# Altium PCB mod_duo_x_g3399.PcbDoc (part 1 of 2) (continued)
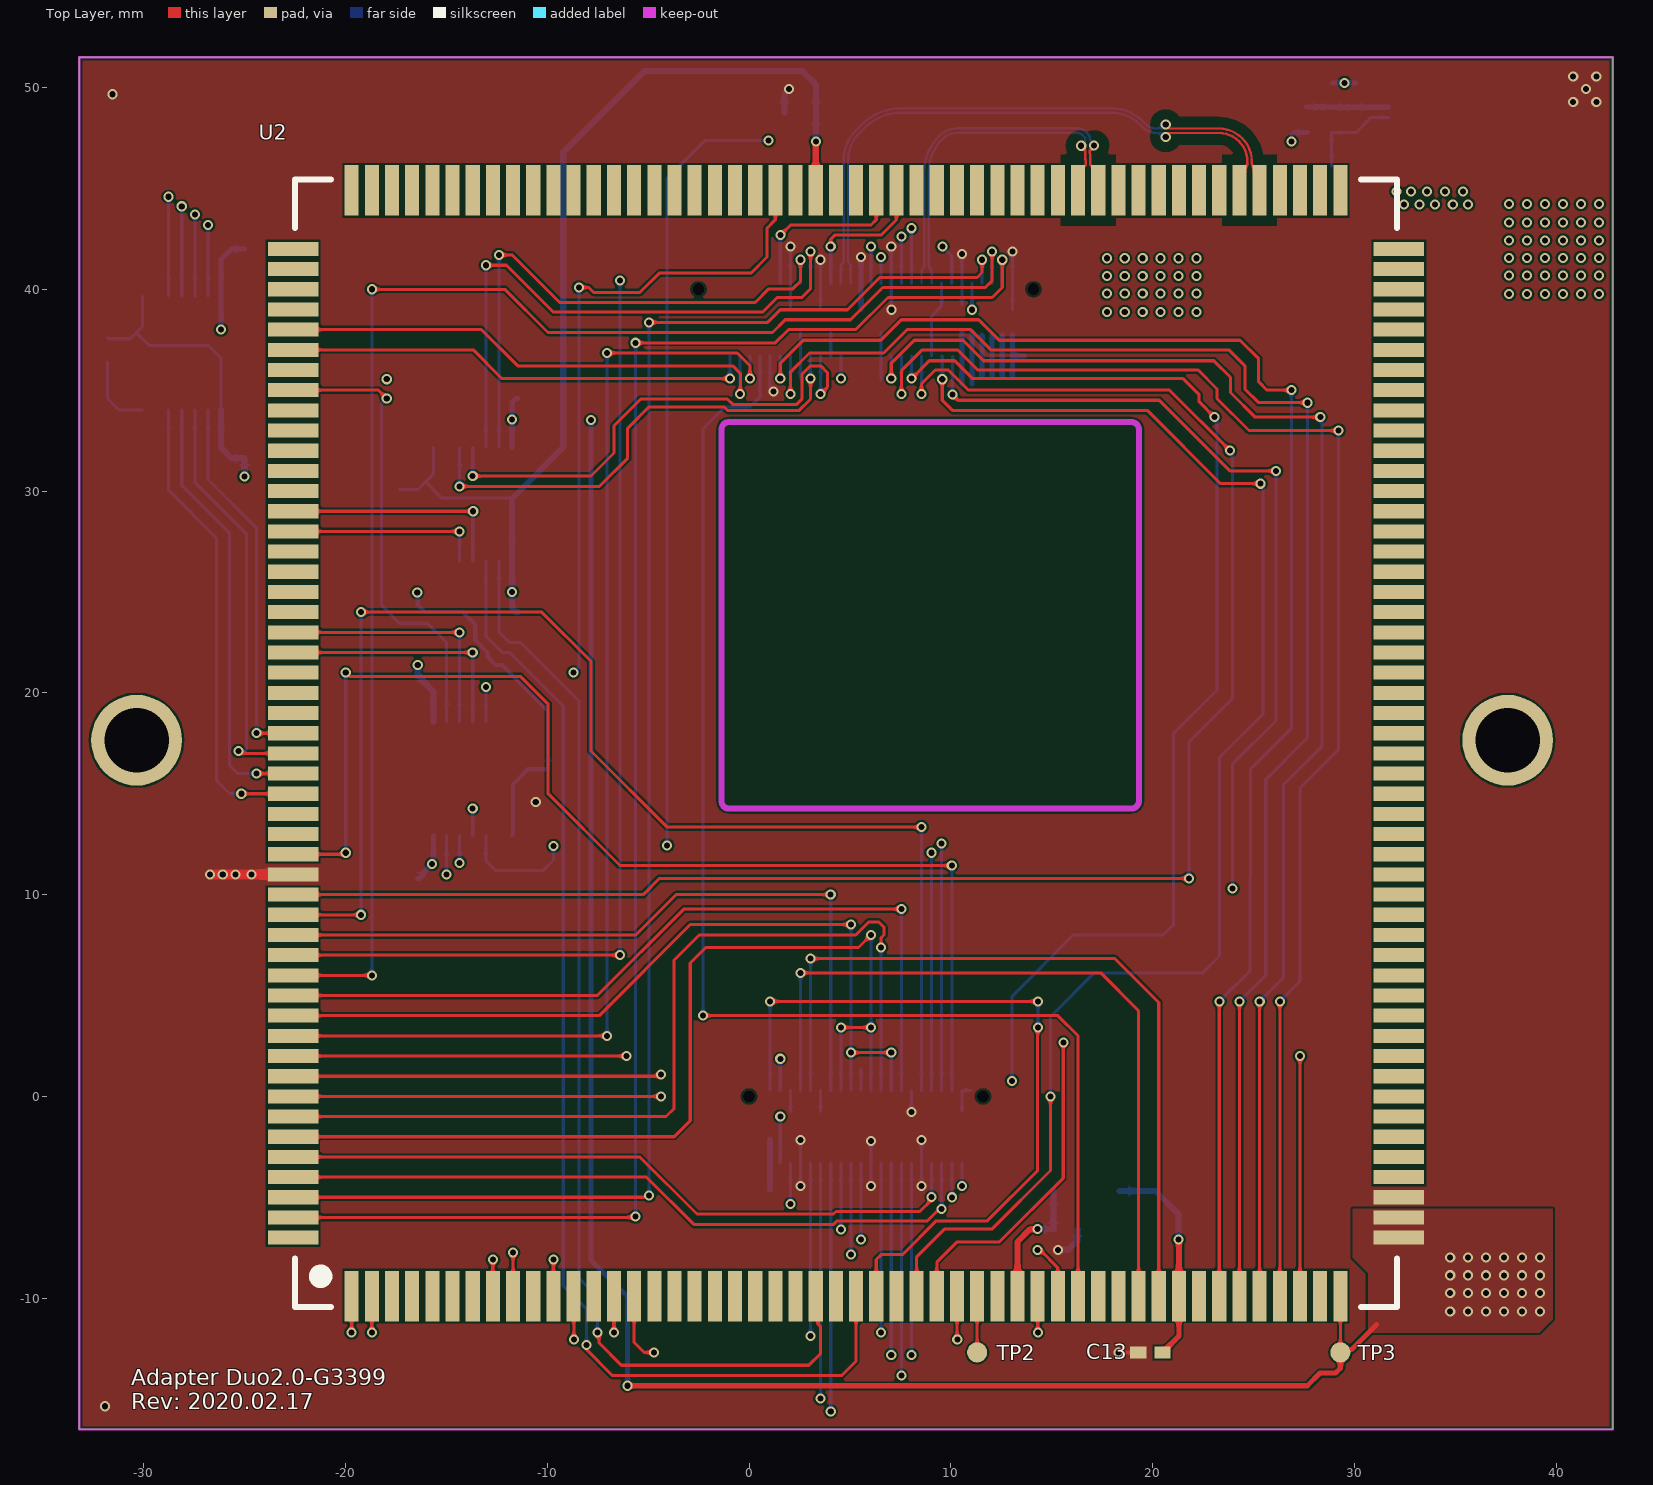
[diagram p0: Top Layer view]
## Design rules (kind name [scope] priority, off if disabled: settings)
Clearance Clearance_DIFF90 [InPolygon vs (InDifferentialPairClass('All Differential Pairs'))] p1: gap=0.508 ignorepadtopadclearanceinfootprint=FALSE
Clearance [All] p2: gap=0.102 ignorepadtopadclearanceinfootprint=FALSE
DiffPairsRouting [All] p1: maxlimit=0.203 minlimit=0.102 mostfreqgap=0.203 toplayer_mingap=0.102 toplayer_maxgap=0.152 toplayer_prefgap=0.102 toplayer_minwidth=0.117 toplayer_maxwidth=0.117 toplayer_prefwidth=0.117 midlayer1_mingap=0.203 midlayer1_minwidth=0.203 midlayer1_maxwidth=0.203 midlayer1_prefwidth=0.203 midlayer2_mingap=0.203 midlayer2_minwidth=0.203 midlayer2_maxwidth=0.203 midlayer2_prefwidth=0.203 bottomlayer_maxgap=0.152 bottomlayer_prefgap=0.102 bottomlayer_minwidth=0.117 bottomlayer_maxwidth=0.117 bottomlayer_prefwidth=0.117 maxuncoupledlength=12.7
HoleSize [All] p1: absolutevalues=TRUE maxlimit=5 minlimit=0.025 maxpercent=80.000 minpercent=20.000
MinimumSolderMaskSliver [All] p1: minsoldermaskwidth=0.102
PlaneConnect [All] p1: planeconnectstyle=Direct reliefexpansion=0.508 reliefentries=4 reliefconductorwidth=0.254 reliefairgap=0.254
PolygonConnect PolygonConnect_P1 [HasFootprint('TE_2-2013289-1')] p1: thpad.connectstyle=Relief thpad.reliefconductorwidth=0.254 thpad.reliefentries=4 thpad.polygonreliefangle="90 Angle" thpad.airgapwidth=0.254 smdpad.connectstyle=Relief smdpad.reliefconductorwidth=0.254 smdpad.reliefentries=4 smdpad.polygonreliefangle="90 Angle" smdpad.airgapwidth=0.254 via.connectstyle=Direct via.reliefconductorwidth=0.254 via.reliefentries=4 via.polygonreliefangle="90 Angle" via.airgapwidth=0.254
PolygonConnect [All] p2: connectstyle=Direct reliefconductorwidth=0.254 reliefentries=4 polygonreliefangle="90 Angle" airgapwidth=0.254
RoutingVias [All] p1: holewidth=0.3 width=0.5 viastyle="Through Hole" minholewidth=0.3 minwidth=0.5 maxholewidth=0.3 maxwidth=0.5
SilkToSilkClearance [All] p1: silktosilkclearance=0.152
SolderMaskExpansion [All] p1: expansion=0.102
Width [All] p1: maxlimit=10 minlimit=0.152 preferedwidth=0.254
25 further rules are at their usual default settings.

## Classes and differential pairs
component class [3]-DCDC-3V3: C16 C17 C18 L1 R1 R2 R3 TP1 U1
component class [2]-INTERFACE_CONNS: P2 P3
component class [1]-SOM-G3399: C1 C2 C3 C4 C5 C6 C7 C8 C9 C10 C11 C12 C13 D1 R4 R5 R6 TP2 TP3 U2 U3 U4 U5
differential pair USB_HOST_D: +USB_HOST_D_P -USB_HOST_D_N
differential pair USB_DEV_D: +USB_DEV_D_P -USB_DEV_D_N

## Components (designator, comment, footprint, x,y, rotation, side; value= is the part's Value field where it differs from the comment)
C1 "22uF" CAPC1608N 40.683,-5.522 r270 bottom
C2 "22uF" CAPC1608N 37.673,-5.522 r270 bottom
C3 "22uF" CAPC1608N 39.197,-5.522 r270 bottom
C4 "0.1uF" CAPC1005N 36.403,-5.522 r270 bottom
C5 "22uF" CAPC1608N 2.549,48.731 r0 bottom
C6 "1uF" CAPC1005N 15.702,-6.595 r180 bottom
C7 "0.1uF" CAPC1005N -10.859,23.999 r180 bottom
C8 "0.1uF" CAPC1005N -10.859,34.591 r180 bottom
C9 "0.1uF" CAPC1005N -24.403,31.632 r180 bottom
C10 "0.1uF" CAPC1005N -24.403,41.999 r180 bottom
C11 "0.1uF" CAPC1005N -17.018,20.837 r0 bottom
C12 "0.1uF" CAPC1005N -17.018,10.804 r0 bottom
C13 "0.1uF" CAPC1005N 19.893,-12.691 r0 top
C16 "120pF" CAPC1005N 30.053,49.623 r90 bottom
C17 "4.7uF" CAPC2012N 31.958,45.856 r0 bottom
C18 "10uF" CAPC2012N 40.848,47.126 r270 bottom
D1 "1N4148WQ-7-F" SOD123 16.718,-4.69 r0 bottom
L1 "470nH" IHLP-1212AE-11 37.927,47.126 r270 bottom
P2 "DF12(3.0)-60DS-0.5V(86)" DF12-60 5.8,38.5 r180 bottom locked
P3 "DF12(3.0)-40DS-0.5V(86)" DF12-40 5.8,-1.5 r180 bottom locked
R1 "453K" RESC1005N 28.91,49.631 r90 bottom
R2 "100K" RESC1005N 28.275,47.761 r0 bottom
R3 "100K" RESC1005N 27.64,49.631 r270 bottom
R4 "100K" RESC1005N -17.318,29.473 r270 bottom
R5 "100K" RESC1005N -31.796,36.999 r270 bottom
R6 "100K" RESC1005N -9.952,15.614 r90 bottom
TP1 "TP_1_MM" TP_1_MM 28.875,46.11 r90 bottom
TP2 "TP_1_MM" TP_1_MM 11.307,-12.691 r90 top
TP3 "TP_1_MM" TP_1_MM 29.307,-12.691 r90 top
U1 "TPS62825" DMQ0006A 32.338,48.523 r0 bottom
U2 "G3399" G3399-MOD 4.807,17.499 r0 top locked
U3 "TXS0104EPWR" TSSOP_PW14 -13.693,29.346 r90 bottom
U4 "TXS0104EPWR" TSSOP_PW14 -28.113,36.839 r90 bottom
U5 "TXS0104EPWR" TSSOP_PW14 -13.693,15.741 r270 bottom

## Footprints (in the part's own frame and the unit in brackets; to place one, negate y for a bottom-side part, rotate by r counter-clockwise, add the part's x,y. Pads: shape width x height; smd on the part's side, far side on the other; paste and mask are expansions set on the pad)
CAPC1005N [mm] "Chip Capacitor, Body 1.0x0.5mm, IPC Medium Density"
  rect 0.8x0.6 smd: 1(-0.6,0) 2(0.6,0)
  body extent -0.5,-0.25 0.5,0.25, height 0.6
CAPC1608N [mm]
  rect 1x1 smd: 1(-0.8,0) 2(0.8,0)
  body extent -0.8,-0.4 0.8,0.4, height 0.9
CAPC2012N [mm] "Chip Capacitor, Body 2.0x1.3mm, IPC Medium Density"
  rect 1.3x1.5 smd: 1(-0.85,0) 2(0.85,0)
  body extent -1,-0.62 1,0.63, height 1
DF12-40 [mm]
  rect 0.3x1.6 smd: 1(4.75,-1.8) 2(4.75,1.8) 3(4.25,-1.8) 4(4.25,1.8) 5(3.75,-1.8) 6(3.75,1.8) 7(3.25,-1.8) 8(3.25,1.8) 9(2.75,-1.8) 10(2.75,1.8) 11(2.25,-1.8) 12(2.25,1.8) 13(1.75,-1.8) 14(1.75,1.8) 15(1.25,-1.8) 16(1.25,1.8) 17(0.75,-1.8) 18(0.75,1.8) 19(0.25,-1.8) 20(0.25,1.8) 21(-0.25,-1.8) 22(-0.25,1.8) 23(-0.75,-1.8) 24(-0.75,1.8) 25(-1.25,-1.8) 26(-1.25,1.8) 27(-1.75,-1.8) 28(-1.75,1.8) 29(-2.25,-1.8) 30(-2.25,1.8) 31(-2.75,-1.8) 32(-2.75,1.8) 33(-3.25,-1.8) 34(-3.25,1.8) 35(-3.75,-1.8) 36(-3.75,1.8) 37(-4.25,-1.8) 38(-4.25,1.8) 39(-4.75,-1.8) 40(-4.75,1.8)
  rect 0.8x1.8 smd: M(-6.45,0) M(6.45,0)
  round 0 hole 0.6: M(-5.8,1.5) M(5.8,1.5)
  body extent -6.55,-2.31 6.55,2.29, height 2.2
DF12-60 [mm]
  rect 0.3x1.6 smd: 1(7.25,-1.8) 2(7.25,1.8) 3(6.75,-1.8) 4(6.75,1.8) 5(6.25,-1.8) 6(6.25,1.8) 7(5.75,-1.8) 8(5.75,1.8) 9(5.25,-1.8) 10(5.25,1.8) 11(4.75,-1.8) 12(4.75,1.8) 13(4.25,-1.8) 14(4.25,1.8) 15(3.75,-1.8) 16(3.75,1.8) 17(3.25,-1.8) 18(3.25,1.8) 19(2.75,-1.8) 20(2.75,1.8) 21(2.25,-1.8) 22(2.25,1.8) 23(1.75,-1.8) 24(1.75,1.8) 25(1.25,-1.8) 26(1.25,1.8) 27(0.75,-1.8) 28(0.75,1.8) 29(0.25,-1.8) 30(0.25,1.8) 31(-0.25,-1.8) 32(-0.25,1.8) 33(-0.75,-1.8) 34(-0.75,1.8) 35(-1.25,-1.8) 36(-1.25,1.8) 37(-1.75,-1.8) 38(-1.75,1.8) 39(-2.25,-1.8) 40(-2.25,1.8) 41(-2.75,-1.8) 42(-2.75,1.8) 43(-3.25,-1.8) 44(-3.25,1.8) 45(-3.75,-1.8) 46(-3.75,1.8) 47(-4.25,-1.8) 48(-4.25,1.8) 49(-4.75,-1.8) 50(-4.75,1.8) 51(-5.25,-1.8) 52(-5.25,1.8) 53(-5.75,-1.8) 54(-5.75,1.8) 55(-6.25,-1.8) 56(-6.25,1.8) 57(-6.75,-1.8) 58(-6.75,1.8) 59(-7.25,-1.8) 60(-7.25,1.8)
  rect 0.8x1.8 smd: M(-8.95,0) M(8.95,0)
  round 0 hole 0.6: M(-8.3,1.5) M(8.3,1.5)
  body extent -9.05,-2.3 9.05,2.3, height 2.2
DMQ0006A [mm]
  rect 0.6x0.25 smd paste+0 mask+0.051: 1(-0.65,0.5) 2(-0.65,0) 3(-0.65,-0.5)
  rect 1.1x0.3 smd paste-0.537 mask-0.051: 4(0.45,-0.5) 5(0.45,0) 6(0.45,0.5)
  silkscreen extent -0.75,-0.9 0.75,0.9, body extent -0.75,-0.75 0.75,0.75, height 1
G3399-MOD [mm]
  rect 0.7x2.5 smd: 1(-24.5,-27.4) 2(-23.5,-27.4) 3(-22.5,-27.4) 4(-21.5,-27.4) 5(-20.5,-27.4) 6(-19.5,-27.4) 7(-18.5,-27.4) 8(-17.5,-27.4) 9(-16.5,-27.4) 10(-15.5,-27.4) 11(-14.5,-27.4) 12(-13.5,-27.4) 13(-12.5,-27.4) 14(-11.5,-27.4) 15(-10.5,-27.4) 16(-9.5,-27.4) 17(-8.5,-27.4) 18(-7.5,-27.4) 19(-6.5,-27.4) 20(-5.5,-27.4) 21(-4.5,-27.4) 22(-3.5,-27.4) 23(-2.5,-27.4) 24(-1.5,-27.4) 25(-0.5,-27.4) 26(0.5,-27.4) 27(1.5,-27.4) 28(2.5,-27.4) 29(3.5,-27.4) 30(4.5,-27.4) 31(5.5,-27.4) 32(6.5,-27.4) 33(7.5,-27.4) 34(8.5,-27.4) 35(9.5,-27.4) 36(10.5,-27.4) 37(11.5,-27.4) 38(12.5,-27.4) 39(13.5,-27.4) 40(14.5,-27.4) 41(15.5,-27.4) 42(16.5,-27.4) 43(17.5,-27.4) 44(18.5,-27.4) 45(19.5,-27.4) 46(20.5,-27.4) 47(21.5,-27.4) 48(22.5,-27.4) 49(23.5,-27.4) 50(24.5,-27.4) 101(24.5,27.4) 102(23.5,27.4) 103(22.5,27.4) 104(21.5,27.4) 105(20.5,27.4) 106(19.5,27.4) 107(18.5,27.4) 108(17.5,27.4) 109(16.5,27.4) 110(15.5,27.4) 111(14.5,27.4) 112(13.5,27.4) 113(12.5,27.4) 114(11.5,27.4) 115(10.5,27.4) 116(9.5,27.4) 117(8.5,27.4) 118(7.5,27.4) 119(6.5,27.4) 120(5.5,27.4) 121(4.5,27.4) 122(3.5,27.4) 123(2.5,27.4) 124(1.5,27.4) 125(0.5,27.4) 126(-0.5,27.4) 127(-1.5,27.4) 128(-2.5,27.4) 129(-3.5,27.4) 130(-4.5,27.4) 131(-5.5,27.4) 132(-6.5,27.4) 133(-7.5,27.4) 134(-8.5,27.4) 135(-9.5,27.4) 136(-10.5,27.4) 137(-11.5,27.4) 138(-12.5,27.4) 139(-13.5,27.4) 140(-14.5,27.4) 141(-15.5,27.4) 142(-16.5,27.4) 143(-17.5,27.4) 144(-18.5,27.4) 145(-19.5,27.4) 146(-20.5,27.4) 147(-21.5,27.4) 148(-22.5,27.4) 149(-23.5,27.4) 150(-24.5,27.4)
  rect 2.5x0.7 smd: 51(27.4,-24.5) 52(27.4,-23.5) 53(27.4,-22.5) 54(27.4,-21.5) 55(27.4,-20.5) 56(27.4,-19.5) 57(27.4,-18.5) 58(27.4,-17.5) 59(27.4,-16.5) 60(27.4,-15.5) 61(27.4,-14.5) 62(27.4,-13.5) 63(27.4,-12.5) 64(27.4,-11.5) 65(27.4,-10.5) 66(27.4,-9.5) 67(27.4,-8.5) 68(27.4,-7.5) 69(27.4,-6.5) 70(27.4,-5.5) 71(27.4,-4.5) 72(27.4,-3.5) 73(27.4,-2.5) 74(27.4,-1.5) 75(27.4,-0.5) 76(27.4,0.5) 77(27.4,1.5) 78(27.4,2.5) 79(27.4,3.5) 80(27.4,4.5) 81(27.4,5.5) 82(27.4,6.5) 83(27.4,7.5) 84(27.4,8.5) 85(27.4,9.5) 86(27.4,10.5) 87(27.4,11.5) 88(27.4,12.5) 89(27.4,13.5) 90(27.4,14.5) 91(27.4,15.5) 92(27.4,16.5) 93(27.4,17.5) 94(27.4,18.5) 95(27.4,19.5) 96(27.4,20.5) 97(27.4,21.5) 98(27.4,22.5) 99(27.4,23.5) 100(27.4,24.5) 151(-27.4,24.5) 152(-27.4,23.5) 153(-27.4,22.5) 154(-27.4,21.5) 155(-27.4,20.5) 156(-27.4,19.5) 157(-27.4,18.5) 158(-27.4,17.5) 159(-27.4,16.5) 160(-27.4,15.5) 161(-27.4,14.5) 162(-27.4,13.5) 163(-27.4,12.5) 164(-27.4,11.5) 165(-27.4,10.5) 166(-27.4,9.5) 167(-27.4,8.5) 168(-27.4,7.5) 169(-27.4,6.5) 170(-27.4,5.5) 171(-27.4,4.5) 172(-27.4,3.5) 173(-27.4,2.5) 174(-27.4,1.5) 175(-27.4,0.5) 176(-27.4,-0.5) 177(-27.4,-1.5) 178(-27.4,-2.5) 179(-27.4,-3.5) 180(-27.4,-4.5) 181(-27.4,-5.5) 182(-27.4,-6.5) 183(-27.4,-7.5) 184(-27.4,-8.5) 185(-27.4,-9.5) 186(-27.4,-10.5) 187(-27.4,-11.5) 188(-27.4,-12.5) 189(-27.4,-13.5) 190(-27.4,-14.5) 191(-27.4,-15.5) 192(-27.4,-16.5) 193(-27.4,-17.5) 194(-27.4,-18.5) 195(-27.4,-19.5) 196(-27.4,-20.5) 197(-27.4,-21.5) 198(-27.4,-22.5) 199(-27.4,-23.5) 200(-27.4,-24.5)
  Keep-Out Layer lines w0.3: -6.173,-2.858 ccw(c-5.792,-2.858) -5.792,-3.239 14.135,-3.239 ; -6.172,-2.857 -6.172,15.545 cw(c-5.791,15.545) -5.791,15.926 14.135,15.926 ; 14.135,-3.239 ccw(c14.135,-2.858) 14.516,-2.858 14.516,15.544 ; 14.136,15.926 cw(c14.136,15.545) 14.517,15.545
  silkscreen extent -27.3,-27.94 27.31,27.94
IHLP-1212AE-11 [mm]
  rect 1.2x1.5 smd: 1(-1.35,0) 2(1.35,0)
  silkscreen extent -1.91,-1.65 1.91,1.65, body extent -1.8,-1.6 1.8,1.6, height 1.55
RESC1005N [mm] "Chip Resistor, Body 1.1x0.5mm, IPC Medium Density"
  rect 0.8x0.7 smd: 1(-0.6,0) 2(0.6,0)
  body extent -0.52,-0.3 0.52,0.3, height 0.34
SOD123 [mm]
  rect 0.95x1.22 smd: 1(-1.635,0) 2(1.635,0)
  silkscreen extent -2.41,-1.02 2.54,1.02, body extent -1.95,-0.9 1.95,0.9, height 1.18
TP_1_MM [mm]
  round 1 smd: 1(0,0)
TSSOP_PW14 [mil]
  rect 66x14 smd: 1(-111,76.77) 2(-111,51.18) 3(-111,25.59) 4(-111,0) 5(-111,-25.59) 6(-111,-51.18) 7(-111,-76.77) 8(111,-76.77) 9(111,-51.18) 10(111,-25.59) 11(111,0) 12(111,25.59) 13(111,51.18) 14(111,76.77)
  silkscreen extent -125,-100 164,112, body extent -126,-98 126,98, height 44

## Part data
C1 C2 C3 C5: library part GRM188R60J226MEA0D, "CAP CER 22UF 6.3V X5R 0603", Case/Package=0603, Case Code (Metric)=1608, Dielectric=X5R, Manufacturer 1=Murata, Max Operating Temperature=85°C, Min Operating Temperature=-55°C, Package Quantity=4000, Supplier Part Number 1=490-7611-1-ND, Tolerance=20%, Voltage Rating=6.3V, Capacitance=22uF, Case Code (Imperial)=0603, ComponentLink1Description=https://www.murata.com/~/media/webrenewal/support/library/catalog/products/capacitor/mlcc/c02e.ashx?la=en-us, ComponentLink1URL=https://www.murata.com/~/media/webrenewal/support/library/catalog/products/capacitor/mlcc/c02e.ashx?la=en-us, Depth=0.8mm, Height=0.8mm, Lead Free="Lead Free", Length=1.6mm, Manufacturer Part Number 1=GRM188R60J226MEA0D, Mount="Surface Mount", Packaging="Tape and Reel", Pricing 1="1=0.26, 10=0.177, 100=0.1001, 500=0.07066, 1000=0.06182 (USD)", REACH SVHC="No SVHC", Stock 1=40000, Supplier 1=Digi-Key, Termination=SMD/SMT, Thickness=0.039inch, Voltage Rating (DC)=6.3V, Weight=0.000222oz, Width=0.8mm
C4 C7 C8 C9 C10 C11 C12 C13: library part GRM155R71H104KE14D, "CAP CER 0.1UF 50V X7R 0402", Capacitance="0.1 uF", Capacitance - nF="100 nF", Capacitance - pF="100000 pF", Case Code - in=0402, Case Code - mm=1005, Dielectric=X7R, Manufacturer 1=Murata, Maximum Operating Temperature="+ 125 C", Minimum Operating Temperature="- 55 C", Package / Case="0402 (1005 metric)", Supplier Part Number 1=490-10700-1-ND, Tolerance="10 %", Voltage Rating DC="50 VDC", Brand="Murata Electronics", Class="Class 2", ComponentLink1Description=http://components.arrow.com/part/dataview/0323_07030614, ComponentLink1URL=http://components.arrow.com/part/dataview/0323_07030614, ComponentLink2Description=http://psearch.en.murata.com/capacitor/product/GRM155R71H104KE14%23.pdf, ComponentLink2URL=http://psearch.en.murata.com/capacitor/product/GRM155R71H104KE14%23.pdf, ComponentLink3Description=http://www.mouser.com/ds/2/281/c02e-2905.pdf, ComponentLink3URL=http://www.mouser.com/ds/2/281/c02e-2905.pdf, ComponentLink4Description=http://search.murata.co.jp/Ceramy/image/img/A01X/partnumbering_e_01.pdf, ComponentLink4URL=http://search.murata.co.jp/Ceramy/image/img/A01X/partnumbering_e_01.pdf, ComponentLink5Description=http://www.farnell.com/datasheets/2079156.pdf, ComponentLink5URL=http://www.farnell.com/datasheets/2079156.pdf, Description 1="Cap Ceramic 0.1uF 50V X7R 10% SMD 0402 125C Paper T/R", Factory Pack Quantity=10000, Height="0.5 mm", Length="1 mm", Manufacturer Part Number 1=GRM155R71H104KE14D, Packaging=Reel, Pricing 1="1=0.1, 10=0.022, 100=0.0099, 500=0.0071, 1000=0.0056, 2500=0.0051, 5000=0.0047 (USD)", Product="General Type MLCCs", Product Category="Multilayer Ceramic Capacitors MLCC - SMD/SMT", RoHS=True, Series=GRM, Stock 1=0, Supplier 1=Digi-Key, Termination Style=SMD/SMT, Type="General Purpose Ceramic Capacitors", Unit Weight="0.000212 oz", Width="0.5 mm"
C6: library part C0402C105K9PACTU, "CAP CER 1UF 6.3V X5R 0402", Capacitance=1µF, Manufacturer 1=KEMET, Operating Temperature="-55°C ~ 85°C", Package / Case="0402 (1005 Metric)", Ratings=-, Standard Package=1, Supplier Part Number 1=399-4873-1-ND, Temperature Coefficient=X5R, Tolerance=±10%, Voltage - Rated=6.3V, Applications="General Purpose", Category=Capacitors, ComponentLink1Description=https://datasheet.ciiva.com/144/docfinderpartnumber-c0402c105k9pactu-144529.pdf, ComponentLink1URL=https://datasheet.ciiva.com/144/docfinderpartnumber-c0402c105k9pactu-144529.pdf, ComponentLink2Description=https://datasheet.ciiva.com/28645/1789732-28645392.pdf, ComponentLink2URL=https://datasheet.ciiva.com/28645/1789732-28645392.pdf, ComponentLink3Description=https://datasheet.ciiva.com/7747/40889-7747623.pdf, ComponentLink3URL=https://datasheet.ciiva.com/7747/40889-7747623.pdf, ComponentLink4Description=https://datasheet.ciiva.com/18192/getdatasheetpartid-127800-18192427.pdf, ComponentLink4URL=https://datasheet.ciiva.com/18192/getdatasheetpartid-127800-18192427.pdf, ComponentLink5Description=https://datasheet.ciiva.com/7747/kem-c1006-x5r-smd-7747445.pdf, ComponentLink5URL=https://datasheet.ciiva.com/7747/kem-c1006-x5r-smd-7747445.pdf, ComponentLink6Description=https://datasheet.ciiva.com/5414/kem-c1006-x5r-smd-5414919.pdf, ComponentLink6URL=https://datasheet.ciiva.com/5414/kem-c1006-x5r-smd-5414919.pdf, Description 1="CAP CER 1UF 6.3V X5R 0402", Family="Ceramic Capacitors", Features=-, Height - Seated (Max)=-, Kits="399-5085-ND  - KIT CER HI CAPACITANCE CHIP CAPS", Lead Spacing=-, Lead Style=-, Manufacturer Part Number 1=C0402C105K9PACTU, Mounting Type="Surface Mount, MLCC", Online Catalog="X5R Dielectric (Commercial Grade)", Other Names=399-4873-1, Packaging="Cut Tape (CT)", Pricing 1="1=0.1, 10=0.022, 100=0.0097, 500=0.007, 1000=0.0055, 2500=0.005, 5000=0.0046 (USD)", Product Training Modules="Capacitor Basics- Typical Uses for Capacitors", Series=C, Size / Dimension="0.039\" L x 0.020\" W (1.00mm x 0.50mm)", Stock 1=0, Supplier 1=Digi-Key, Thickness (Max)="0.022\" (0.55mm)"
C16: library part GRM1555C1H121FA01D, "CAP CER 120PF 50V C0G/NP0 0402", Capacitance="120 pF", Case/Package=0402, Case Code (Metric)=1005, Case Height="0.5 mm", Case Length="1 mm", Dielectric="C0G (NP0)", Manufacturer 1=Murata, Manufacturer Part Number 2=GRM1555C1H121JA01D, Maximum Operating Temperature="+ 125 C", Max Operating Temperature=125°C, Minimum Operating Temperature="- 55 C", Min Operating Temperature=-55°C, Operating Temperature Range="- 55 C to + 125 C", Package / Case="0402 (1005 metric)", Package Quantity=1, Supplier Part Number 1=490-8182-1-ND, Temperature Coefficient=30ppm/°C, Temperature Coefficient / Code="+/- 30 PPM / C", Tolerance="1 %", Voltage=50V, Voltage Rating="50 V", Brand="Murata Electronics", Case Code (Imperial)=0402, Case Code - in=0402, Case Code - mm=1005, Case Width="0.5 mm", ComponentLink1Description=https://datasheet.ciiva.com/11617/c02e-11617455.pdf, ComponentLink1URL=https://datasheet.ciiva.com/11617/c02e-11617455.pdf, ComponentLink2Description=https://datasheet.ciiva.com/17451/c02e-17451502.pdf, ComponentLink2URL=https://datasheet.ciiva.com/17451/c02e-17451502.pdf, Depth=0.5mm, Description 1="Multilayer Ceramic Capacitors MLCC - SMD/SMT 0402 120pF 50volts 1%", Dimensions="0.5 mm W x 1 mm L x 0.5 mm H", Factory Pack Quantity=10000, Height=0.5mm, Lead Free="Lead Free", Length=1mm, Manufacturer 2=Murata, Manufacturer Part Number 1=GRM1555C1H121FA01D, Material=Ceramic, Mount="Surface Mount", Packaging=Reel, Pricing 1="1=0.15, 10=0.107, 100=0.0501, 500=0.0351, 1000=0.0291, 2500=0.0271, 5000=0.0248 (USD)", Pricing 2="1=0.1, 10=0.065, 100=0.0289, 500=0.02066, 1000=0.01623, 2500=0.01475, 5000=0.01357 (USD)", Product="General Type MLCCs", Product Category="Multilayer Ceramic Capacitors MLCC - SMD/SMT", Radiation Hardening=No, REACH SVHC="No SVHC", RoHS=Details, Series=GRM, Stock 1=154558, Stock 2=100000, Supplier 1=Digi-Key, Supplier 2=Digi-Key, Supplier Part Number 2=490-1292-1-ND, Termination=SMD/SMT, Termination Style=SMD/SMT, Thickness=0.022inch, Type="General Purpose MLCC", Voltage Rating (DC)=50V, Voltage Rating DC="50 V", Width=0.5mm
C17: library part C2012X5R1E475K125AB, "CAP CER 4.7UF 25V X5R 0805", Case/Package=0805, Case Code (Metric)=2012, Dielectric=X5R, Dielectric Material=Ceramic, Manufacturer 1=TDK, Max Operating Temperature=85°C, Min Operating Temperature=-55°C, Package Quantity=1, Supplier Part Number 1=445-4116-1-ND, Tolerance=10%, Voltage=25V, Capacitance=4.7uF, Case Code (Imperial)=0805, ComponentLink1Description=https://datasheet.ciiva.com/24216/tdkmlcccaprange-24216480.pdf, ComponentLink1URL=https://datasheet.ciiva.com/24216/tdkmlcccaprange-24216480.pdf, ComponentLink2Description=https://datasheet.ciiva.com/11788/0900766b80c1bb00-11788107.pdf, ComponentLink2URL=https://datasheet.ciiva.com/11788/0900766b80c1bb00-11788107.pdf, ComponentLink3Description=https://datasheet.ciiva.com/36857/1796654-36857301.pdf, ComponentLink3URL=https://datasheet.ciiva.com/36857/1796654-36857301.pdf, ComponentLink4Description=https://datasheet.ciiva.com/22773/1571323-22773430.pdf, ComponentLink4URL=https://datasheet.ciiva.com/22773/1571323-22773430.pdf, ComponentLink5Description=https://datasheet.ciiva.com/6251/tdkmlcccaprange-6251817.pdf, ComponentLink5URL=https://datasheet.ciiva.com/6251/tdkmlcccaprange-6251817.pdf, ComponentLink6Description=https://datasheet.ciiva.com/22676/1571323-22676937.pdf, ComponentLink6URL=https://datasheet.ciiva.com/22676/1571323-22676937.pdf, ComponentLink7Description=https://datasheet.ciiva.com/6251/tdkmlcccaprange-6251820.pdf, ComponentLink7URL=https://datasheet.ciiva.com/6251/tdkmlcccaprange-6251820.pdf, ComponentLink8Description=https://datasheet.ciiva.com/28602/1744655-28602173.pdf, ComponentLink8URL=https://datasheet.ciiva.com/28602/1744655-28602173.pdf, ComponentLink9Description=https://datasheet.ciiva.com/6251/tdkmlcccaprange-6251823.pdf, ComponentLink9URL=https://datasheet.ciiva.com/6251/tdkmlcccaprange-6251823.pdf, ComponentLink10Description=https://datasheet.ciiva.com/16449/e412-c-16449599.pdf, ComponentLink10URL=https://datasheet.ciiva.com/16449/e412-c-16449599.pdf, Composition=Ceramic, Depth=1.25mm, Height=1.25mm, Lead Free="Lead Free", Length=2mm, Manufacturer Part Number 1=C2012X5R1E475K125AB, Mount="Surface Mount", Number of Pins=2, Packaging="Tape and Reel", Pricing 1="1=0.38, 10=0.259, 100=0.1466, 500=0.1035, 1000=0.09056 (USD)", Radiation Hardening=No, REACH SVHC="No SVHC", Stock 1=20000, Supplier 1=Digi-Key, Termination=SMD/SMT, Thickness=0.057inch, Voltage Rating=25V, Voltage Rating (DC)=25V, Weight=0.000194oz, Width=1.25mm
C18: library part C2012X7R1A106K125AC, "CAP CER 10UF 10V X7R 0805", Case/Package=0805, Case Code (Metric)=2012, Dielectric=X7R, Dielectric Material=Ceramic, Manufacturer 1=TDK, Max Operating Temperature=125°C, Min Operating Temperature=-55°C, Package Quantity=1, Supplier Part Number 1=445-6857-1-ND, Tolerance=10%, Voltage=10V, Capacitance=10uF, Case Code (Imperial)=0805, Composition=Ceramic, Contact Plating=Matte,Tin, Depth=1.25mm, Height=1.25mm, Lead Free="Lead Free", Length=2mm, Manufacturer Part Number 1=C2012X7R1A106K125AC, Mount="Surface Mount", Number of Pins=2, Packaging="Tape and Reel", Pricing 1="1=0.52, 10=0.359, 100=0.2156, 500=0.16172, 1000=0.13656 (USD)", Radiation Hardening=No, REACH SVHC="No SVHC", Stock 1=20000, Supplier 1=Digi-Key, Termination=SMD/SMT, Thickness=0.057inch, Voltage Rating=10V, Voltage Rating (DC)=10V, Weight=0.000194oz, Width=0.049inch
D1: "DIODE GEN PURP 100V 300MA SOD123", Case/Package=SOD-123-2, Forward Current=300mA, Forward Voltage=1.25V, Manufacturer 1="Diodes Zetex", Max Operating Temperature=150°C, Max Power Dissipation=400mW, Max Repetitive Reverse Voltage (Vrrm)=100V, Max Surge Current=2A, Min Operating Temperature=-65°C, Package Quantity=3000, Peak Reverse Current=50uA, Supplier Part Number 1=1N4148WQ-7-FDICT-ND, Contact Plating=Matte,Tin, Element Configuration=Single, Lead Free="Lead Free", Manufacturer Part Number 1=1N4148WQ-7-F, Mount="Surface Mount", Number of Pins=2, Packaging="Tape and Reel", Peak Non-Repetitive Surge Current=2A, Pricing 1="1=0.22, 10=0.196, 100=0.107, 500=0.06582, 1000=0.04488 (USD)", Recovery Time=4ns, Reverse Recovery Time=4ns, Stock 1=65303, Supplier 1=Digi-Key, Weight=0.000353oz
L1: library part IHLP1212AEERR47M11, "FIXED IND 470NH 6.7A 15 MOHM SMD", Case/Package=1212, Current Rating=6.7A, DC Resistance (DCR)=15mR, Inductance=470nh, Inductance Tolerance=20%, Manufacturer 1="Vishay Dale", Max Operating Temperature=125°C, Min Operating Temperature=-55°C, Package Quantity=3000, Self Resonant Frequency=1MHz, Supplier Part Number 1=541-1330-1-ND, Test Frequency=100kHz, Core Material=Ferrite, Depth=3.2mm, Height=1.2mm, Height - Seated (Max)=0.059inch, Lead Free="Lead Free", Length=3.6mm, Manufacturer Part Number 1=IHLP1212AEERR47M11, Max DC Current=6.7A, Military Standard=Not, Mount="Surface Mount", Number of Pins=2, Packaging="Tape and Reel", Pricing 1="1=1.41, 10=1.308, 100=0.9459, 500=0.7245, 1000=0.644 (USD)", Radiation Hardening=No, REACH SVHC=Unknown, RMS Current (Irms)=6.7A, Saturation Current=6.7A, Shielding=Shielded, Stock 1=27366, Supplier 1=Digi-Key, Termination=SMD/SMT, Tolerance=20%, Width=3mm
P2: "CONN RECEPT 60POS 3MM SMD 0.5MM", Colour=Beige, Contact Resistance=50mR, Current Rating=300mA, Flammability Rating="UL94 V-0", Insulation Resistance=500MR, Manufacturer 1=Hirose, Max Operating Temperature=125°C, Max Voltage Rating (AC)=50V, Min Operating Temperature=-45°C, Package Quantity=1, Supplier Part Number 1=H5207CT-ND, Connector Type=Receptacle, Contact Material="Copper,Copper Alloy", Contact Plating=Gold, Depth=3.6mm, Gender=Receptacle, Housing Colour=Beige, Housing Material=Polyamide, Insulation Material=Nylon, Lead Free="Lead Free", Lead Pitch=0.5mm, Length=18mm, Manufacturer Part Number 1=DF12(3.0)-60DS-0.5V(86), Mated Stacking Heights=3mm, Mating Cycles=50, Max Current Rating=300mA, Mount="Surface Mount", Number of Contacts=60, Number of Positions=60, Number of Rows=2, Orientation=Straight, Packaging="Tape and Reel", Pitch=0.5mm, Pricing 1="1=1.87, 10=1.698, 25=1.594, 50=1.5246, 100=1.4553, 250=1.31672, 500=1.21276 (USD)", Radiation Hardening=No, REACH SVHC="No SVHC", Row Spacing=2.4mm, Stack Height=3mm, Stock 1=7229, Supplier 1=Digi-Key, Termination=Solder, Voltage Rating=50V, Voltage Rating (AC)=50V, Width=18mm
P3: "CONN RECEPT 40POS 3MM SMD 0.5MM", Contact Resistance=50mR, Current Rating=300mA, Flammability Rating="UL94 V-0", Housing Colour=Beige, Manufacturer 1=Hirose, Max Operating Temperature=125°C, Max Voltage Rating (AC)=50V, Min Operating Temperature=-45°C, Package Quantity=1000, Supplier Part Number 1=H11706CT-ND, Connector Type=Receptacle, Contact Material=Copper, Contact Plating=Gold, Depth=3.6mm, Gender=Receptacle, Housing Material=Polyamide, Insulation Material=Nylon, Lead Free="Lead Free", Length=13mm, Manufacturer Part Number 1=DF12(3.0)-40DS-0.5V(86), Mated Stacking Heights=3mm, Max Current Rating=300mA, Mount="Surface Mount", Number of Contacts=40, Number of Positions=40, Number of Rows=2, Orientation=Straight, Packaging="Tape and Reel", Pitch=0.5mm, Pricing 1="1=1.44, 10=1.262, 25=1.188, 50=1.1386, 100=1.089, 250=0.99, 500=0.891 (USD)", Radiation Hardening=No, REACH SVHC="No SVHC", Row Spacing=2.4mm, Stack Height=3mm, Stock 1=9904, Supplier 1=Digi-Key, Termination=SMD/SMT, Voltage Rating=50V
R1: library part RMCF0402FT453K, "RES SMD 453K OHM 1% 1/16W 0402", Case/Package=0402, Case Code (Metric)=1005, Manufacturer="Stackpole Electronics", Max Operating Temperature=155°C, Max Power Dissipation=63mW, Min Operating Temperature=-55°C, Resistance=453kR, Supplier Part Number 1=RMCF0402FT453KCT-ND, Temperature Coefficient=100ppm/°C, Tolerance=1%, Case Code (Imperial)=0402, ComponentLink1Description=https://www.seielect.com/catalog/SEI-Packaging.pdf?src-supplier=Digi-Key, ComponentLink1URL=https://www.seielect.com/catalog/SEI-Packaging.pdf?src-supplier=Digi-Key, ComponentLink2Description=http://components.arrow.com/part/dataview/47827349S9775272N1174?src-supplier=Arrow, ComponentLink2URL=http://components.arrow.com/part/dataview/47827349S9775272N1174?src-supplier=Arrow, ComponentLink3Description=https://www.seielect.com/Catalog/SEI-RMCF_RMCP.pdf?src-supplier=Avnet, ComponentLink3URL=https://www.seielect.com/Catalog/SEI-RMCF_RMCP.pdf?src-supplier=Avnet, Composition="Thick Film", Contact Plating=Tin,Matte, Features="Automotive AEC-Q200", Height=0.016inch, Length=0.039inch, Manufacturer Part Number=RMCF0402FT453K, Mount="Surface Mount", Number of Terminations=2, Packaging="Tape and Reel", Pricing 1="1=0.10000, 10=0.01500, 100=0.00610, 1000=0.00275, 2500=0.00239, 5000=0.00198 (USD)", RoHS=Yes, Stock 1=49261, Supplier 1=Digi-Key, Width=0.02inch
R2 R3 R4 R5 R6: library part RC0402FR-07100KL, "RES SMD 100K OHM 1% 1/16W 0402", Case Code - in=0402, Case Code - mm=1005, Manufacturer 1=Yageo, Operating Temperature Range="- 55 C to + 155 C", Power Rating="62.5 mW (1/16 W)", Resistance="100 kOhms", Supplier Part Number 1=311-100KLRCT-ND, Temperature Coefficient="100 PPM / C", Tolerance="1 %", Voltage Rating="50 V", ComponentLink1Description=https://datasheet.ciiva.com/11819/0900766b80c66297-11819452.pdf, ComponentLink1URL=https://datasheet.ciiva.com/11819/0900766b80c66297-11819452.pdf, ComponentLink2Description=https://datasheet.ciiva.com/16740/pyu-rc0402-51-rohs-l-6-r-16740567.pdf, ComponentLink2URL=https://datasheet.ciiva.com/16740/pyu-rc0402-51-rohs-l-6-r-16740567.pdf, ComponentLink3Description=https://datasheet.ciiva.com/12667/pyu-rc0402-51-rohs-l-6-r-12667930.pdf, ComponentLink3URL=https://datasheet.ciiva.com/12667/pyu-rc0402-51-rohs-l-6-r-12667930.pdf, ComponentLink4Description=https://datasheet.ciiva.com/2453/pyu-r-int-thick-7-2453361.pdf, ComponentLink4URL=https://datasheet.ciiva.com/2453/pyu-r-int-thick-7-2453361.pdf, ComponentLink5Description=https://datasheet.ciiva.com/15189/getdatasheetpartid-323696-15189334.pdf, ComponentLink5URL=https://datasheet.ciiva.com/15189/getdatasheetpartid-323696-15189334.pdf, ComponentLink6Description=https://datasheet.ciiva.com/2453/pyu-r-int-thick-7-2453362.pdf, ComponentLink6URL=https://datasheet.ciiva.com/2453/pyu-r-int-thick-7-2453362.pdf, ComponentLink7Description=https://datasheet.ciiva.com/2453/pyu-r-int-thick-7-2453363.pdf, ComponentLink7URL=https://datasheet.ciiva.com/2453/pyu-r-int-thick-7-2453363.pdf, ComponentLink8Description=https://datasheet.ciiva.com/22747/1018594-22747509.pdf, ComponentLink8URL=https://datasheet.ciiva.com/22747/1018594-22747509.pdf, Description 1="RES SMD 100K OHM 1% 1/16W 0402", Manufacturer Part Number 1=RC0402FR-07100KL, Packaging=Reel, Pricing 1="1=0.1, 10=0.014, 100=0.0056, 1000=0.0025, 2500=0.0022, 5000=0.0018 (USD)", Product="Thick Film Resistors General Purpose", Series=RC, Stock 1=10691398, Supplier 1=Digi-Key, Termination Style=SMD/SMT
U1: library part IC_TPS62825DMQR, "IC STEP DOWN CONV 1-5V 2A QFN", Manufacturer 1="Texas Instruments", Manufacturer Part Number 1=TPS62825DMQR, Supplier Part Number 1=296-49521-1-ND, Pricing 1="1=1.56, 10=1.392, 100=1.085, 500=0.8963, 1000=0.70761 (USD)", Stock 1=1427, Supplier 1=Digi-Key
U2: "ROCKCHIP R3399 SoM"
U3 U4 U5: library part IC_TXS0104EPWRG4, "IC TRNSLTR BIDIRECTIONAL 14TSSOP", Case/Package=TSSOP, High Level Output Current=-20uA, Low Level Output Current=1mA, Manufacturer 1="Texas Instruments", Manufacturer Part Number 1=TXS0104EPWRG4, Max Operating Temperature=85°C, Max Supply Voltage=5.5V, Min Operating Temperature=-40°C, Min Supply Voltage=2.3V, Package Quantity=2000, Quiescent Current=14.4uA, Supplier Part Number 1=296-52841-1-ND, ComponentLink1Description=https://datasheet.ciiva.com/4834/sces651d-126957-4834816.pdf?src-supplier=Mouser, ComponentLink1URL=https://datasheet.ciiva.com/4834/sces651d-126957-4834816.pdf?src-supplier=Mouser, ComponentLink2Description=https://datasheet.ciiva.com/15096/getdatasheetpartid-394723-15096293.pdf?src-supplier=Verical, ComponentLink2URL=https://datasheet.ciiva.com/15096/getdatasheetpartid-394723-15096293.pdf?src-supplier=Verical, ComponentLink3Description=https://datasheet.ciiva.com/26039/txs0104e-26039590.pdf?src-supplier=Avnet+Europe, ComponentLink3URL=https://datasheet.ciiva.com/26039/txs0104e-26039590.pdf?src-supplier=Avnet+Europe, ComponentLink4Description=https://datasheet.ciiva.com/14287/txs0104e-14287679.pdf?src-supplier=Avnet, ComponentLink4URL=https://datasheet.ciiva.com/14287/txs0104e-14287679.pdf?src-supplier=Avnet, ComponentLink5Description=https://datasheet.ciiva.com/1900/txs0104e-1900897.pdf?src-supplier=Digi-Key, ComponentLink5URL=https://datasheet.ciiva.com/1900/txs0104e-1900897.pdf?src-supplier=Digi-Key, Data Rate=24Mbps, Height=1.15mm, Lead Free="Lead Free", Length=5mm, Logic Function=Translator, Mount="Surface Mount", Number of Bits=4, Number of Channels=4, Number of Pins=14, Output Type=Voltage, Packaging="Tape and Reel", Pricing 1="1=1.35000, 10=1.20300, 100=0.93810, 500=0.77498, 1000=0.61182 (USD)", Propagation Delay=260ns, Radiation Hardening=No, RoHS=Yes, Stock 1=1124, Supplier 1=Digi-Key, Turn-On Delay Time=260ns, Weight=0.002018oz, Width=4.4mm

## Free pads (board coordinates)
  round 4.5 hole 3.2: M(-30.35,17.65) M(37.6,17.65)

## Via types
v1: diameter 0.5, hole 0.3, Top Layer to Bottom Layer, tented both sides, 280 vias

## Nets (pads, with @x,y where several pads share a name; then routed paths per layer and width w, separated by ;. In a path a pad name is that pad's centre, name@x,y a point inside that pad or via, vN(x,y) a via of type N, cw(c..) or ccw(c..) an arc to the next point about the centre after c; other vN are vias at no path point)
+3V3: C1.2 C2.2 C3.2 C4.2 C8.2 C13.2 C16.2 C18.2 D1.2 L1.2 R1.2 TP3.1 U2.42 U2.50 U2.51 U2.52 U3.14 | length 108.6
  Top Layer w0.152: TP3.1@29.307,-12.691 U2.50@29.307,-9.901
  Top Layer w0.254: v1(-6.015,-14.342) 27.666,-14.342 28.302,-13.706 29.072,-13.706 29.307,-13.471 TP3.1@29.307,-12.691 29.45,-12.548 29.867,-12.548 31.107,-11.308 ; C13.2@20.493,-12.691 20.593,-12.691 20.766,-12.518 20.766,-12.418 21.307,-11.877 U2.42@21.307,-9.901
  Top Layer w0.3: v1(21.29,-7.103) 21.307,-7.12 U2.42@21.307,-9.901
  VCC w0.254: v1(-11.743,33.537) -7.858,33.537 v1(-7.832,33.512)
  Bottom Layer w0.254: U3.14@-11.743,32.165 -11.743,34.269 -11.732,34.281 -11.732,34.418 -11.559,34.591 C8.2@-11.459,34.591 ; v1(-7.832,33.512) -7.832,-8.116 -6.015,-9.933 v1(-6.015,-14.342) ; R1.2@28.91,50.231 30.045,50.231 C16.2@30.053,50.223
  Bottom Layer w0.3: D1.2@18.353,-4.69 20.147,-4.69 21.29,-5.833 v1(21.29,-7.103)
  other v1: 34.752,-10.659 35.641,-10.659 36.53,-10.659 37.419,-10.659 38.308,-10.659 39.197,-10.659 34.752,-9.74 35.641,-9.74 36.53,-9.74 37.419,-9.74 38.308,-9.74 39.197,-9.74 34.752,-8.867 35.641,-8.867 36.53,-8.867 37.419,-8.867 38.308,-8.867 39.197,-8.867 34.752,-7.992 35.641,-7.992 36.53,-7.992 37.419,-7.992 38.308,-7.992 39.197,-7.992 37.673,39.76 38.562,39.76 39.451,39.76 40.34,39.76 41.229,39.76 42.118,39.76 37.673,40.679 38.562,40.679 39.451,40.679 40.34,40.679 41.229,40.679 42.118,40.679 37.673,41.552 38.562,41.552 39.451,41.552 40.34,41.552 41.229,41.552 42.118,41.552 37.673,42.427 38.562,42.427 39.451,42.427 40.34,42.427 41.229,42.427 42.118,42.427 37.673,43.3 38.562,43.3 39.451,43.3 40.34,43.3 41.229,43.3 42.118,43.3 37.673,44.219 38.562,44.219 39.451,44.219 40.34,44.219 41.229,44.219 42.118,44.219 29.51,50.231
+5V: C10.2 C12.2 C17.2 P2.53 P2.55 P2.57 P2.59 R2.1 U1.1 U1.6 U4.14 U5.14 | length 94.3
  VCC w0.254: v1@-15.643,11.579 -15.783,11.439 -23.443,11.439 -26.163,14.159 v1(-26.163,37.999) -26.163,38.991 -22.905,42.249 -0.672,42.249 0.928,40.649 10.566,40.649 11.625,39.591 ; 27.671,39.733 27.671,40.006
  Bottom Layer w0.254: v1(-26.163,37.999) U4.14@-26.163,39.658 -26.163,41.489 -25.653,41.999 C10.2@-25.003,41.999 ; C12.2@-16.418,10.804 -16.318,10.804 -16.145,10.977 -16.145,11.077 -15.643,11.579 U5.14@-15.643,12.922 ; 11.549,35.696 P2.53@11.549,36.7 11.549,37.728 ; 12.049,35.696 P2.55@12.049,36.7 12.049,37.728 ; 12.549,35.696 P2.57@12.549,36.7 12.549,37.728 ; 13.05,35.696 P2.59@13.05,36.7 ; 13.05,37.728 P2.59@13.05,36.7 ; 13.658,36.7 P2.59@13.05,36.7 ; v1(26.878,47.317) 26.878,47.634 27.005,47.761 R2.1@27.675,47.761
  other v1: -15.713,11.509 17.734,38.871 18.623,38.871 19.512,38.871 20.401,38.871 21.29,38.871 22.179,38.871 17.734,39.79 18.623,39.79 19.512,39.79 20.401,39.79 21.29,39.79 22.179,39.79 17.734,40.663 18.623,40.663 19.512,40.663 20.401,40.663 21.29,40.663 22.179,40.663 17.734,41.538 18.623,41.538 19.512,41.538 20.401,41.538 21.29,41.538 22.179,41.538 32.466,44.205 33.228,44.205 33.99,44.205 34.879,44.205 35.641,44.205 32.086,44.84 32.808,44.84 33.609,44.84 34.498,44.84 35.387,44.84
CHAIN_UART_DE: P2.56 U2.187 | length 73.6
  Top Layer w0.152: U2.187@-22.593,5.999 v1(-18.693,5.999) ; v1(-18.693,40) -12.101,39.999 -9.957,37.855 1.16,37.855 1.795,38.49 5.031,38.49 6.632,40.091 11.715,40.091 12.049,40.425 v1(12.049,41.868)
  Bottom Layer w0.152: v1(-18.693,5.999) v1(-18.693,40) ; P2.56@12.049,40.3 v1(12.049,41.868)
CHAIN_UART_RE: P2.52 U2.186 | length 69
  Top Layer w0.152: U2.186@-22.593,6.999 v1(-6.391,6.999)
  VCC w0.152: v1(-6.395,40.426) -6.344,40.478 -1.628,40.478 -0.89,39.74 10.295,39.74 v1(11.05,38.985)
  Bottom Layer w0.152: v1(-6.395,40.426) -6.391,40.422 v1(-6.391,6.999) ; v1(11.05,38.985) P2.52@11.05,40.3
CHAIN_UART_RX: P2.54 U2.198 | length 80.3
  Top Layer w0.152: U2.198@-22.593,-5.001 -5.216,-5.001 -5.2,-4.985 -5.02,-4.985 v1(-4.953,-4.919) ; v1(-4.953,38.363) 0.922,38.363 1.544,38.985 4.88,38.985 6.481,40.585 11.307,40.585 11.549,40.828 v1(11.549,41.464)
  Bottom Layer w0.152: v1(-4.953,-4.919) v1(-4.953,38.363) ; P2.54@11.549,40.3 v1(11.549,41.464)
CHAIN_UART_TX: P2.58 U2.199 | length 82.1
  Top Layer w0.152: U2.199@-22.593,-6.001 -5.676,-6.001 v1(-5.634,-5.959) ; v1(-5.617,37.348) 1.307,37.347 1.962,38.002 5.296,38.002 6.884,39.591 12.049,39.591 12.549,40.091 v1(12.549,41.464)
  Bottom Layer w0.152: v1(-5.634,-5.959) -5.617,-5.943 v1(-5.617,37.348) ; P2.58@12.549,40.3 v1(12.549,41.464)
CLI_UART_RX: P2.13 U2.44 | length 76.6
  Top Layer w0.152: v1(1.549,35.569) 1.549,36.339 2.685,37.474 6.524,37.474 7.54,38.49 11.384,38.49 12.4,37.474 24.338,37.474 25.258,36.554 25.258,35.411 25.67,34.999 v1(26.882,34.999) ; U2.44@23.307,-9.901 v1@23.307,4.708
  Bottom Layer w0.152: v1(1.549,35.569) P2.13@1.549,36.7 ; v1(23.311,4.708) 24.835,6.232 24.835,10.793 24.846,10.804 24.846,16.206 26.878,18.238 v1@26.878,34.999
CLI_UART_TX: P2.15 U2.45 | length 77.3
  Top Layer w0.152: v1(2.05,34.807) 2.05,35.887 3.002,36.839 6.672,36.839 7.832,37.999 10.986,37.999 11.986,36.999 23.78,36.999 24.575,36.204 24.575,35.062 25.258,34.379 v1@27.677,34.379 ; U2.45@24.307,-9.901 v1@24.307,4.708
  Bottom Layer w0.152: v1(2.05,34.807) P2.15@2.049,36.7 ; v1(24.311,4.708) 25.608,6.005 25.608,15.695 27.671,17.758 27.671,34.375 v1@27.675,34.379
  other v1: 27.677,34.377
CODEC_I2C_SCL: P3.11 U2.2 | length 37.7
  Top Layer w0.152: v1@-18.693,-11.675 U2.2@-18.693,-9.901
  VCC w0.152: v1(-18.693,-11.711) -14.742,-11.711 -14.218,-12.235 -10.662,-12.235 -9.571,-13.326 3.002,-13.326 3.51,-13.834 3.51,-14.937 v1(3.55,-14.977)
  Bottom Layer w0.152: v1(3.55,-14.977) P3.11@3.55,-3.3
CODEC_I2C_SDA: P3.13 U2.1 | length 39.9
  Top Layer w0.152: v1@-19.693,-11.675 U2.1@-19.693,-9.901
  VCC w0.152: v1(-19.693,-11.711) -19.169,-12.235 -14.853,-12.235 -14.397,-12.691 -10.836,-12.691 -9.693,-13.834 2.494,-13.834 3.002,-14.342 3.002,-15.104 3.51,-15.612 v1(4.05,-15.612)
  Bottom Layer w0.152: v1(4.05,-15.612) P3.13@4.05,-3.3
CODEC_I2S_BCLK: P3.19 U2.9 | length 23.5
  Top Layer w0.152: U2.9@-11.693,-9.901 v1@-11.693,-7.757
  VCC w0.152: v1@-11.703,-7.746 -11.441,-7.484 4.443,-7.484 4.824,-7.103 v1(5.55,-7.103)
  Bottom Layer w0.152: v1(5.55,-7.103) P3.19@5.55,-3.3
  other v1: -11.704,-7.746
CODEC_I2S_LRCK: P3.17 U2.11 | length 21.2
  Top Layer w0.152: U2.11@-9.693,-9.901 v1@-9.693,-8.127
  VCC w0.152: v1(-9.693,-8.091) 4.824,-8.091 v1@5.05,-7.865
  Bottom Layer w0.152: v1@5.05,-7.865 v1(5.05,-7.841) P3.17@5.05,-3.3
CODEC_I2S_MCLK: P3.15 U2.8 | length 23.2
  Top Layer w0.152: U2.8@-12.693,-9.901 v1@-12.693,-8.127
  VCC w0.152: v1(-12.693,-8.091) -12.693,-7.558 -12.111,-6.976 4.018,-6.976 4.399,-6.595 v1(4.55,-6.595)
  Bottom Layer w0.152: v1(4.55,-6.595) P3.15@4.55,-3.3
CODEC_I2S_SDIN: P3.25 U2.14 | length 25.5
  Top Layer w0.152: v1@-6.693,-11.675 U2.14@-6.693,-9.901
  VCC w0.152: v1(-6.693,-11.711) 1.803,-11.711 2.495,-12.403 5.67,-12.403 6.084,-12.818 v1(7.05,-12.818)
  Bottom Layer w0.152: v1(7.05,-12.818) P3.25@7.05,-3.3
CODEC_I2S_SDOUT: P3.23 U2.12 | length 26.8
  Top Layer w0.152: U2.12@-8.693,-9.901 -8.682,-9.912 v1(-8.682,-12.056)
  VCC w0.152: v1(-8.682,-12.056) -8.682,-11.547 -8.184,-11.049 5.888,-11.049 v1(6.55,-11.711)
  Bottom Layer w0.152: v1(6.55,-11.711) P3.23@6.55,-3.3
CODEC_I2S_SPDIF_SDIN: P3.27 U2.15 | length 26.8
  Top Layer w0.152: U2.15@-5.693,-9.901 -5.693,-12.196 -5.198,-12.691 v1(-4.699,-12.691)
  VCC w0.152: v1(-4.699,-12.691) -4.555,-12.835 3.559,-12.835 4.558,-13.834 v1(7.55,-13.834)
  Bottom Layer w0.152: v1(7.55,-13.834) P3.27@7.55,-3.3
CODEC_MUTEC: P3.29 U2.35 | length 18.4
  Top Layer w0.152: U2.35@14.307,-9.901 14.307,-11.696 v1(14.322,-11.711)
  VCC w0.152: v1(8.05,-12.818) 13.817,-12.818 14.321,-12.314 v1@14.321,-11.711
  Bottom Layer w0.152: v1@8.05,-12.818 P3.29@8.05,-3.3
CODEC_RESET: P3.9 U2.31 | length 18.2
  Top Layer w0.152: U2.31@10.307,-9.901 10.307,-12.03 v1(10.322,-12.045)
  VCC w0.152: v1(3.05,-11.885) 5.7,-11.885 6.05,-12.235 10.132,-12.235 v1(10.322,-12.045)
  Bottom Layer w0.152: v1(3.05,-11.885) P3.9@3.05,-3.3
CV_ADC_CS: P3.28 U2.188 | length 40.9
  Top Layer w0.152: U2.188@-22.593,4.999 -7.517,4.999 -3.236,9.28 v1(7.55,9.28)
  Bottom Layer w0.152: P3.28@7.55,0.3 v1(7.55,9.28)
CV_ADC_DIN: P3.16 P3.22 U2.195 | length 49.7
  Top Layer w0.152: U2.195@-22.593,-2.001 -3.708,-2.001 -2.91,-1.203 -2.91,6.61 -2.145,7.375 5.426,7.375 v1(6.05,7.999) ; v1(4.55,3.414) v1(6.05,3.415) v1(6.05,3.415)
  VCC w0.152: v1(6.05,3.415) v1(6.05,3.415)
  Bottom Layer w0.152: P3.16@4.55,0.3 v1@4.55,3.413 ; v1@6.049,7.999 v1(6.05,7.999) v1(6.05,3.415) ; P3.22@6.05,0.3 v1@6.05,3.413
CV_ADC_DOUT: P3.24 U2.194 | length 45.6
  Top Layer w0.152: U2.194@-22.593,-1.001 -4.11,-1.001 -3.708,-0.599 -3.708,6.761 -2.47,7.999 5.288,7.999 5.93,8.641 6.428,8.641 6.687,8.382 6.687,7.999 6.55,7.862 6.55,7.629
  Bottom Layer w0.152: P3.24@6.55,0.3 v1(6.55,7.375)
CV_ADC_SCLK: P3.18 P3.26 U2.189 | length 41.6
  Top Layer w0.152: U2.189@-22.593,3.999 -7.429,3.999 -2.91,8.518 v1(5.05,8.518) ; v1(5.05,2.169) v1(7.05,2.169)
  Bottom Layer w0.152: P3.18@5.05,0.3 v1(5.05,2.169) ; v1(5.05,2.169) v1(5.05,8.518) ; P3.26@7.05,0.3 v1(7.05,2.169)
CV_DAC_CS: P3.14 U2.185 | length 37.2
  Top Layer w0.152: U2.185@-22.593,7.999 -5.616,7.999 -3.616,9.999 v1(4.05,9.999)
  Bottom Layer w0.152: P3.14@4.049,0.3 v1(4.05,9.999)
CV_IN_BIAS: P2.45 U2.29 | length 71.7
  Top Layer w0.152: U2.29@8.307,-9.901 8.307,-7.955 9.681,-6.581 12.033,-6.581 14.94,-3.674 v1@14.94,0 ; v1(9.577,35.542) 9.577,34.499 10.077,33.999 19.733,33.999 23.368,30.364 v1(25.358,30.364)
  Bottom Layer w0.152: P2.45@9.549,36.7 9.577,36.673 v1(9.577,35.542) ; v1(14.944,0) 14.944,3.95 17.114,6.12 22.488,6.12 23.322,6.954 23.322,16.8 25.481,18.959 25.481,30.237 v1@25.354,30.364
CV_IN_DET: P2.47 U5.13 | length 82.3
  Top Layer w0.152: v1(10.077,34.78) 10.357,34.499 20.328,34.499 23.828,30.999 v1@26.12,30.999
  VCC w0.152: v1(-14.993,10.999) -14.798,10.804 4.189,10.804 4.697,10.296 v1(23.957,10.296)
  Bottom Layer w0.152: v1(-14.993,10.999) U5.13@-14.993,12.922 ; v1(10.077,34.78) P2.47@10.077,36.673 ; v1(23.957,10.296) 23.957,16.46 26.116,18.619 v1@26.116,30.997
  other v1: 26.12,30.997
CV_IN_DET_1V8: U2.158 U5.2 | length 23.1
  Top Layer w0.152: U2.158@-22.593,34.999 -18.361,34.999 v1(-17.953,34.591)
  Bottom Layer w0.152: v1(-17.953,34.591) -18.207,34.337 -18.207,24.338 -17.318,23.449 -15.941,23.449 -14.993,22.501 U5.2@-14.993,18.56
CV_OUT_BIAS: P3.10 U2.41 | length 39.2
  Top Layer w0.152: v1(3.05,6.827) 18.135,6.827 20.307,4.656 U2.41@20.307,-9.901
  Bottom Layer w0.152: P3.10@3.05,0.3 v1(3.05,6.827)
EXP_EN1: P3.38 U2.181 | length 59.3
  Top Layer w0.152: U2.181@-22.593,11.999 -20.06,11.999 v1(-19.985,12.074) ; v1(-19.985,20.999) -19.804,20.818 -11.33,20.818 -9.952,19.44 -9.952,14.995 -6.396,11.439 v1(10.05,11.439)
  Bottom Layer w0.152: v1(-19.985,12.074) v1(-19.985,20.999) ; P3.38@10.05,0.3 v1(10.05,11.439)